# Allegro board BRD-05058-01_B04.brd (continued)
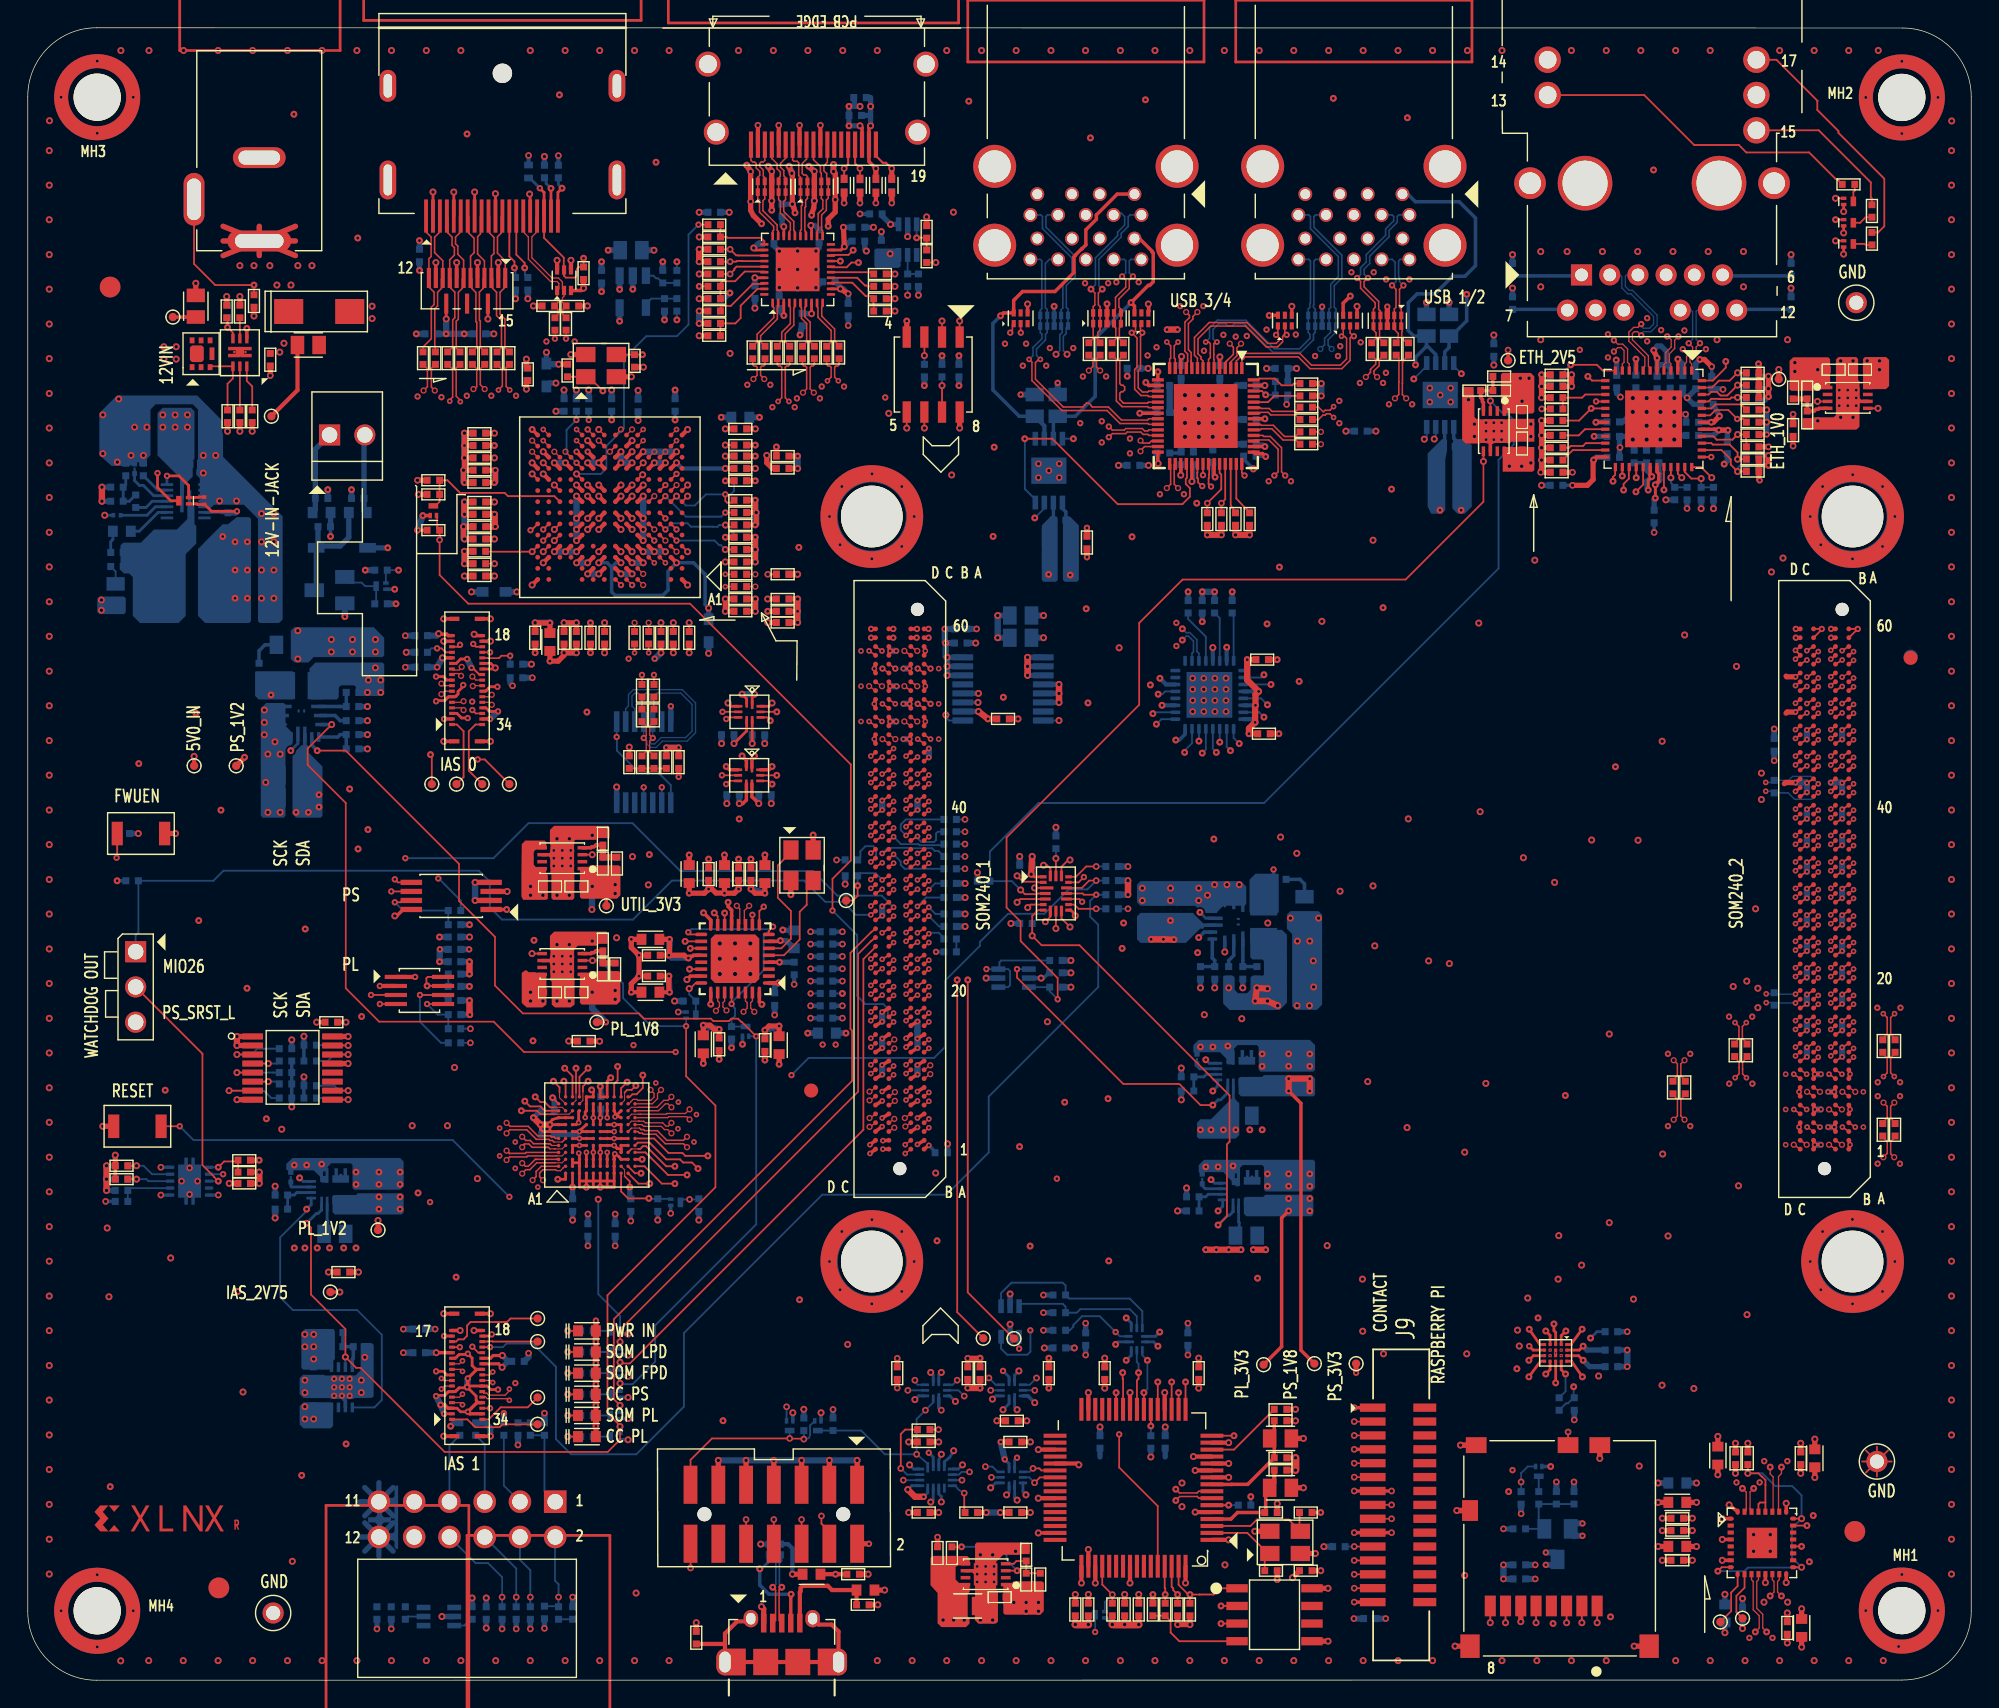
[diagram p0: board, top side]
## Routing (per net, layer and track width the routed paths; a pad name or vN(x,y) marks a point on that pad's centre or on a via; arc(x,y) is an arc through that point) (continued)
N2162492: length 6.5
  TOP w0.132: J8.1 31.67,18.79 32.23,18.22 33.99,18.22 34.19,18.43 TP31.1
N2162496: length 4.6
  TOP w0.132: TP32.1 36.02,19.65 34.07,19.65 33.2,18.79 J8.34
N2164764: length 7.3
  TOP w0.132: TP33.1 34.78,26.05 34.52,25.8 31.9,25.8 31.65,25.54 31.65,24.8 31.4,24.55 31.02,24.55 30.85,24.39 J8.15
N2164776: length 4
  TOP w0.132: TP34.1 33.5,24.39 33.48,24.41 33.13,24.41 33.11,24.39 J8.20
N2168209: length 5.1
  TOP w0.132: J7.1 30.91,68.82 31.4,68.34 31.4,65.04 TP27.1
N2168213: length 5.4
  TOP w0.132: TP28.1 31.77,65.49 31.77,68.34 32.26,68.82 J7.34
N2168217: length 12.4
  TOP w0.132: J7.20 32.29,74.42 v2(32.09,74.63) ; v2(32.41,66.31) 32.92,66.31 TP30.1
  L12_SIG w0.102: v2(32.41,66.31) 32.41,68.02 32.67,68.28 32.67,70.03 32.54,70.16 32.54,74.18 v2(32.09,74.63)
N2168229: length 11.6
  TOP w0.132: TP29.1 29.11,66.56 v6(29.01,66.66) ; J7.15 31,74.42 v2(31.14,74.56)
  L12_SIG w0.102: v2(31.14,74.56) 30.58,74 30.58,70.65 29.01,69.09 v6(29.01,66.66)
N2198627: length 1.2
  BOTTOM w0.132: Q17.3 R254.1
N2198631: length 1.7
  TOP w0.132: DS6.1 v4(38.9,23.64)
  BOTTOM w0.132: R254.2 v4(38.9,23.64)
N2390901: length 3.8
  BOTTOM w0.132: R260.2 25.1,77.62 Q20.3 24.3,78.79 24.05,79.04 23.25,79.04 Q18.1
N2498323: length 4
  TOP w0.127: TP35.1 122.71,4.97 122.71,6.31 123.17,6.78 U40.9
N2498387: length 3.6
  TOP w0.127: U40.10 123.67,6.66 123.08,6.07 123.08,4.9 TP36.1
N2549814: length 0.9
  BOTTOM w0.132: R264.2 C344.1
N2906910: length 1.1
  BOTTOM w0.132: R272.2 Q15.3
N2971691: length 0.9
  BOTTOM w0.132: R274.1 C370.1
N2974273: length 1
  BOTTOM w0.132: R275.1 C371.1

## Copper pours and planes (outline as drawn; the poured copper is in the pictures)
5V0_IN on TOP (solid shape): 36.07,50.99 36.56,50.99 36.58,50.98 36.64,50.96 36.7,50.95 37.23,50.95 37.36,50.81 37.36,48.66 37.09,48.45 35.94,48.45 35.71,48.66 35.58,48.78 35.58,50.94 35.82,51.12 35.94,51.12
5V0_IN on TOP (solid shape): 37.36,60.34 37.36,60.09 37.34,59.88 37.29,59.83 36.7,59.83 36.55,59.78 36.46,59.64 36.45,59.63 36.45,59.57 36.45,59.07 36.45,58.74 36.51,58.66 36.6,58.56 37.23,58.56 37.34,58.48 37.34,58.1 37.47,57.97 37.47,56.28 37.34,56.2 35.69,56.2 35.56,56.42 35.56,58.17 35.58,60.21 35.84,60.47 37.23,60.47
5V0_IN on BOTTOM (solid shape): 74.19,83.68 74.19,79.23 74.06,79.1 73.18,79.1 73.05,79.23 73.05,83.17 73.68,83.8 74.06,83.8
5V0_IN on BOTTOM (solid shape): 16.08,83.63 16.08,76.27 15.95,76.14 12.77,76.14 12.27,76.65 12.27,81.47 14.04,83.25 14.43,83.25 15.06,83.76 15.95,83.76
5V0_IN on BOTTOM (solid shape): 102.24,89.33 102.24,88.57 102.12,87.94 102.12,87.94 102.12,84.25 101.86,84 101.1,84 100.85,84.51 100.85,88.34 101.88,89.38
5V0_IN on BOTTOM (solid shape): 21.77,20 21.83,19.99 21.99,19.83 21.99,19.19 22,18.31 21.82,18.13 19.86,18.13 19.58,18.41 19.58,19.74 19.86,20.01 21.73,20.01
5V0_IN on BOTTOM (solid shape): 84.68,54.5 84.73,54.5 84.73,54.25 84.73,54.18 84.67,54.12 84.45,54.12 83.43,53.1 80.16,53.1 79.91,53.35 79.91,55.01 80.16,55.26 83.92,55.26
5V0_IN on BOTTOM (solid shape): 86.79,41.95 86.88,41.98 86.95,41.93 87.02,41.8 87.27,41.54 87.27,39.26 87.02,39 84.35,39 84.22,39.13 84.22,40.15 84.48,40.4 85.24,40.4
5V0_IN on BOTTOM (solid shape): 19.79,67.32 19.83,67.32 20.08,67.32 20.12,67.32 20.15,67.33 20.19,67.32 20.21,67.29 20.22,67.26 20.22,66.82 21.23,65.8 21.23,62.24 21.11,62.12 19.33,62.12 19.07,62.37 19.07,66.59 19.1,66.6 19.26,66.73 19.32,66.92 19.32,66.94 19.73,67.34
5V0_IN on TOP: 16.18,82.6 16.18,77.64 15.67,77.14 14.27,77.14 13.13,78.28 13.13,82.72 13.51,83.1 15.67,83.1
5V0_IN on BOTTOM: 21.99,33.03 21.99,30.75 21.74,30.49 19.07,30.49 18.95,30.62 18.95,31.64 19.2,31.89 19.96,31.89 21.61,33.54 21.74,33.29
5V0_IN on BOTTOM: 87.65,32.91 87.65,30.62 87.4,30.37 84.73,30.37 84.61,30.49 84.61,31.51 84.86,31.76 85.62,31.76 87.27,33.42 87.4,33.16
5V0_IN on L08_PWR: 8.26,117.15 132.09,117.15 138.44,110.8 138.44,21.9 137.17,20.63 127.01,20.63 118.75,28.88 82.56,28.88 80.65,30.79 80.65,58.73 80.02,59.36 75.57,59.36 74.94,58.73 74.94,49.2 74.3,48.57 60.97,48.57 60.33,49.2 60.33,54.92 59.7,55.55 40.01,55.55 39.38,54.92 39.38,48.57 38.74,47.93 36.2,47.93 35.57,48.57 35.57,49.84 34.93,50.47 18.42,50.47 17.79,49.84 17.79,39.68 18.42,39.04 21.6,39.04 23.5,37.14 23.5,33.96 25.41,32.06 25.41,19.36 24.14,18.09 2.55,18.09 1.91,18.72 1.91,110.8 ; 3 cut-outs
5V0_IN_SW on BOTTOM (solid shape): 12.01,84.52 12.01,83.25 12.14,83.12 12.14,81.85 11.38,81.09 11.38,76.65 10.87,76.14 8.08,76.14 7.57,76.65 7.57,79.44 7.31,79.69 6.93,79.69 6.68,79.95 6.68,81.73 6.87,81.92 8.14,81.92 9.09,82.87 10.74,82.87 11.5,83.63 11.5,84.77 11.63,84.9
12V_IN on BOTTOM (solid shape): 12.01,91.38 12.01,87.95 11.89,87.82 11.89,86.68 11.25,86.04 11.25,85.03 11,85.03 11,86.55 9.35,88.2 9.35,91.25 9.73,91.63 11.76,91.63
12V_IN on TOP: 12.85,98.67 10.04,98.67 8.92,97.55 8.92,94.63 9.35,94.19 12.63,94.19 12.68,94.25 12.68,97.23 13.08,97.64 13.08,98.44
12V_IN on L07_PWR: 1.91,96.02 3.22,97.33 24.18,97.33 25.41,96.1 25.41,84.76 26.68,83.49 26.68,81.46 25.53,80.32 3.94,80.32 1.91,82.35
12V_IN_JACK on TOP: 19.84,95.26 19.98,95.4 19.98,105.17 19.47,105.68 14.14,105.68 13.76,105.3 13.76,101.49 14.14,101.11 16.93,101.11 17.31,100.73 17.31,97.55 17.69,97.17 17.69,96.28 17.44,96.03 15.41,96.03 15.41,95.39 15.53,95.26
12V_IN_JACK on BOTTOM: 19.53,95.33 19.98,95.77 19.98,105.17 19.47,105.68 14.14,105.68 13.76,105.3 13.76,101.49 14.14,101.11 16.93,101.11 17.31,100.73 17.31,97.55 17.69,97.17 17.69,96.28 17.44,96.03 15.41,96.03 15.41,95.39 14.9,94.88 14.9,89.6 15,89.5 15.71,89.5 15.79,89.57 15.79,93.99 17.12,95.33
12V_IN_SOURCE on TOP: 14.52,95.26 14.26,95.01 12.99,95.01 12.99,96.79 13.5,96.79 14.26,96.03 15.14,96.03 15.14,95.39 15.01,95.26
AVDD12 on L05_SIG: 47.9,92.72 51.84,92.72 54.38,90.18 54.38,78.12 54.35,78.12 54.35,76.07 53.84,75.55 51.15,75.55 49,77.71 48.81,77.9 42.21,77.9 40.18,75.99 39.77,75.66 35.89,75.66 34.06,77.48 34.06,78.75 32.73,80.09 32.3,80.56 32.3,83.99 33.57,85.26 38.15,85.26 38.56,85.74 38.56,86.25 38.4,86.4 38.27,86.53 37.77,86.53 37.64,86.41 37.03,86.4 36.88,86.55 36.88,87.24 36.45,87.67 33.42,87.67 32.79,88.3 32.79,88.91 32.85,88.98 32.85,93.3 33.55,93.99 46.76,93.99 46.76,93.87
AVDD33 on L12_SIG: 42.04,89.84 43.95,89.84 44.08,89.72 44.08,86.39 44.6,85.87 44.6,82.31 50.43,82.35 51.32,81.46 51.32,76.89 50.3,75.87 48.63,75.87 47.9,76.6 43.46,76.6 42.95,76.09 42.95,75.58 42.19,74.82 42.19,73.55 42.06,73.42 38.5,73.42 37.93,73.99 37.93,78.06 36.96,79.05 33.54,79.05 32.77,79.82 32.77,89.05 33.93,90.17 35.47,90.17 36.71,88.95 41.92,88.95 42.04,89.08
GND on TOP (solid shape): 72.18,9.79 72.18,9.09 71.67,9.09 71.58,9.07 71.51,9.03 70.27,9.03 69.96,8.72 69.92,8.69 69.89,8.65 69.76,8.52 69.76,6.49 69.89,6.36 69.89,4.22 69.75,4.08 68.48,4.08 68.22,4.33 68.22,4.82 68.24,4.84 68.24,9.79 68.37,9.92 72.05,9.92
GND on TOP (solid shape): 104.16,92.62 104.17,92.53 104.21,92.46 104.21,90.97 104.34,90.84 104.59,90.84 104.61,90.83 104.67,90.8 104.74,90.8 106.49,90.8 106.55,90.8 106.62,90.83 106.63,90.84 108.53,90.84 108.53,89.19 106.88,89.19 106.75,89.06 106.63,89.06 106.62,89.07 106.55,89.09 106.49,89.1 105.74,89.1 105.67,89.09 105.61,89.07 105.59,89.06 105.13,89.06 105.12,89.07 105.05,89.09 104.99,89.1 104.74,89.1 104.67,89.09 104.61,89.07 104.59,89.06 103.58,89.06 103.33,89.31 103.33,93.12 104.16,93.12
GND on TOP (solid shape): 131.73,95.29 131.85,95.14 131.85,93.63 131.96,93.53 131.96,93.26 131.95,93.22 131.95,92.97 131.95,92.72 131.95,92.47 131.96,92.43 131.96,91.76 131.95,91.72 131.95,91.47 131.96,91.43 131.96,90.27 131.74,90.05 127.92,90.05 127.87,90.11 127.87,90.84 127.88,90.88 127.92,90.89 127.93,90.89 128.44,90.89 128.52,90.91 128.59,90.94 130.09,90.94 130.25,91.11 130.25,91.41 130.26,91.47 130.26,91.72 130.25,91.78 130.25,91.91 130.26,91.97 130.26,92.72 130.25,92.78 130.25,92.91 130.26,92.97 130.26,93.22 130.25,93.28 130.25,95.11 130.43,95.29
GND on TOP (solid shape): 41.91,61.4 41.91,60.64 41.85,60.58 41.82,60.61 41.75,60.64 41.68,60.65 41.17,60.65 41.04,60.61 40.95,60.51 39.44,60.51 39.37,60.44 39.37,60.17 39.36,60.12 39.35,60.07 39.35,59.82 39.36,59.77 39.37,59.72 39.37,59.67 39.36,59.62 39.35,59.57 39.35,58.82 39.36,58.77 39.37,58.72 39.37,58.67 39.36,58.62 39.35,58.57 39.35,58.32 39.36,58.27 39.37,58.22 39.37,56.32 39.25,56.2 37.85,56.2 37.72,56.32 37.72,58.1 37.63,58.2 37.64,58.23 37.65,58.27 37.66,58.32 37.66,58.57 37.65,58.64 37.63,58.7 37.65,58.76 37.66,58.82 37.66,59.07 37.65,59.15 37.61,59.22 37.6,59.23 37.6,59.66 37.61,59.68 37.65,59.75 37.66,59.82 37.66,60.07 37.65,60.14 37.62,60.21 37.61,60.22 37.62,61.23 37.92,61.53 41.79,61.53
GND on TOP (solid shape): 41.79,53.78 41.79,53.13 41.76,53.06 41.17,53.03 41.04,52.99 40.95,52.89 39.63,52.89 39.39,52.66 39.39,52.59 39.39,52.58 39.36,52.52 39.35,52.45 39.35,52.2 39.36,52.14 39.38,52.08 39.36,52.02 39.35,51.95 39.35,51.2 39.36,51.14 39.38,51.08 39.36,51.02 39.35,50.95 39.35,50.7 39.36,50.63 39.39,50.57 39.39,50.56 39.39,48.66 39.12,48.45 37.98,48.45 37.74,48.66 37.74,50.31 37.62,50.43 37.62,50.56 37.62,50.57 37.65,50.63 37.66,50.7 37.66,50.95 37.65,51.02 37.63,51.08 37.65,51.14 37.66,51.2 37.66,51.45 37.65,51.52 37.62,51.58 37.62,51.59 37.62,52.06 37.62,52.07 37.65,52.13 37.66,52.2 37.66,52.45 37.65,52.52 37.62,52.58 37.62,52.59 37.62,53.61 37.92,53.91 41.68,53.91
GND on TOP (solid shape): outline of 229 points within 1.9,110.9 8.1,117.1
GND on TOP (solid shape): outline of 229 points within 1.9,1.9 8.1,8.1
GND on TOP (solid shape): outline of 229 points within 131.9,110.88 138.1,117.08
GND on TOP (solid shape): outline of 229 points within 131.9,1.91 138.1,8.12
GND on TOP (solid shape): outline of 248 points within 57.1,80.1 64.5,87.5
GND on TOP (solid shape): outline of 248 points within 57.1,26.45 64.5,33.85
GND on TOP (solid shape): outline of 248 points within 127.75,80.1 135.15,87.5
GND on TOP (solid shape): outline of 248 points within 127.75,26.45 135.15,33.85
GND on BOTTOM (solid shape): 7.06,77.92 7.06,76.9 6.93,76.77 5.15,76.77 5,76.93 5,77.89 5.15,78.04 6.93,78.04
GND on BOTTOM (solid shape): 104.02,88.95 104.02,84.51 103.51,84 103,84 102.62,84.38 102.62,89.11 102.89,89.38 103.47,89.38
GND on BOTTOM (solid shape): 75.72,83.17 75.72,79.23 75.59,79.1 74.7,79.1 74.57,79.23 74.57,83.68 74.7,83.8 75.08,83.8
GND on BOTTOM (solid shape): 25.68,75.07 25.68,73.8 25.55,73.67 20.6,73.67 20.22,73.29 19.2,73.29 18.95,73.55 18.95,75.58 19.2,75.83 24.92,75.83
GND on BOTTOM (solid shape): 93.24,55.13 93.24,48.66 92.86,48.27 91.34,48.27 91.08,48.53 91.08,53.74 90.7,54.12 90.7,55.13 90.96,55.39 92.99,55.39
GND on BOTTOM (solid shape): 92.73,45.73 92.73,43.96 92.61,43.83 88.8,43.83 88.67,43.96 88.67,44.08 88.67,44.08 88.67,45.13 88.67,45.13 88.67,45.61 88.54,45.73 87.15,45.73 86.89,45.48 86.89,44.34 86.51,44.34 86.38,44.46 86.38,44.72 85.88,45.23 84.43,45.23 84.43,45.19 83.97,45.19 83.97,45.73 84.35,46.12 92.35,46.12
GND on BOTTOM (solid shape): 18.57,70.25 18.57,68.72 19.07,68.21 19.07,67.45 18.94,67.32 18.92,67.32 18.67,67.2 18.57,66.95 18.57,66.92 18.57,62.24 18.44,62.12 16.91,62.12 16.79,62.24 16.79,69.99 17.17,70.37 18.44,70.37
GND on BOTTOM (solid shape): 87.78,57.16 87.78,55.89 87.65,55.77 86.13,55.77 85.62,55.26 84.82,55.26 84.82,55.31 84.7,55.57 84.44,55.67 84.36,55.67 84.28,55.64 84.24,55.62 84.1,55.77 80.16,55.77 79.91,56.02 79.91,57.29 80.16,57.55 87.4,57.55
GND on BOTTOM (solid shape): 27.07,37.35 27.07,35.57 26.82,35.32 23.52,35.32 23.39,35.45 23.39,35.57 23.4,35.57 23.4,36.62 23.39,36.62 23.39,37.1 23.26,37.23 21.87,37.23 21.61,36.97 21.61,35.83 21.23,35.83 21.11,35.96 21.11,36.21 21.01,36.31 21.47,36.31 21.47,36.64 21.26,36.64 21.26,36.31 21.01,36.31 20.6,36.72 19.07,36.72 19.07,36.68 18.82,36.68 18.82,36.72 18.69,36.72 18.62,36.78 18.62,37.18 19.07,37.61 26.82,37.61
GND on BOTTOM (solid shape): 92.73,37.35 92.73,35.45 92.48,35.19 89.18,35.19 89.05,35.32 89.05,35.44 89.06,35.44 89.06,36.5 89.05,36.5 89.05,36.97 88.92,37.1 87.53,37.1 87.33,36.89 87.33,35.62 87.27,35.57 87,35.57 87,35.65 86.74,35.65 86.74,35.94 86.53,36.16 87.12,36.16 87.12,36.49 86.92,36.49 86.92,36.16 86.53,36.16 86.12,36.59 84.73,36.59 84.73,36.56 84.39,36.56 84.35,36.59 84.35,37.1 84.73,37.48 92.61,37.48
GND on BOTTOM (solid shape): 24.92,24.14 24.92,20.46 24.79,20.33 23.52,20.32 23.45,20.25 23.25,20.25 23.19,20.24 23.07,20.24 23,20.25 22.75,20.25 22.69,20.24 22.57,20.24 22.5,20.25 21.84,20.25 21.77,20.32 19.86,20.32 19.58,20.6 19.58,21.77 19.84,22 21.35,22 21.4,21.94 21.72,21.94 21.75,21.94 23.5,21.94 23.6,21.94 23.68,22.02 23.73,22.08 23.98,22.33 23.98,24.23 24.03,24.28 24.78,24.28
GND on BOTTOM (solid shape): 14.07,90.65 14.07,90.14 14.01,89.94 14.07,89.74 14.07,88.11 18.36,83.81 18.36,76.39 18.11,76.14 16.71,76.14 16.58,76.27 16.58,83.63 15.57,84.65 13.41,84.65 13.22,84.45 13.18,84.46 12.39,84.46 12.39,86.55 12.14,86.81 12.14,87.16 12.18,87.23 12.19,87.31 12.19,87.82 12.19,87.87 12.27,87.95 12.27,91.51 11.89,91.89 9.22,91.89 8.84,91.51 8.84,88.2 8.58,87.95 8.58,87.44 8.13,87.44 8.13,87.45 8.02,87.45 8.02,87.71 7.36,87.71 7.36,87.45 7.26,87.45 7.26,87.44 6.04,87.44 5.15,88.23 5.15,91.25 6.42,92.52 12.19,92.52
GND on BOTTOM (solid shape): outline of 229 points within 1.9,110.9 8.1,117.1
GND on BOTTOM (solid shape): outline of 229 points within 1.9,1.9 8.1,8.1
GND on BOTTOM (solid shape): outline of 229 points within 131.9,110.88 138.1,117.08
GND on BOTTOM (solid shape): outline of 229 points within 131.9,1.91 138.1,8.11
GND on BOTTOM (solid shape): outline of 248 points within 57.1,80.1 64.5,87.5
GND on BOTTOM (solid shape): outline of 248 points within 57.1,26.45 64.5,33.85
GND on BOTTOM (solid shape): outline of 248 points within 127.75,80.1 135.15,87.5
GND on BOTTOM (solid shape): outline of 248 points within 127.75,26.45 135.15,33.85
GND on TOP: 18.21,88.06 25.83,88.06 27.48,86.41 27.48,79.93 28.49,78.91 28.49,77.64 19.48,68.6 19.48,68.02 19.48,67.48 19.48,66.59 18.84,65.96 14.52,65.96 11.86,68.63 11.51,68.63 11.14,68.99 11.14,75.49 12.54,76.88 13.38,76.88 13.89,76.37 15.79,76.37 16.68,77.26 16.68,86.53
GND on TOP: 13.72,33.58 18.04,33.58 19.18,32.44 19.18,22.41 19.69,21.9 20.07,21.9 20.33,21.64 20.33,20.63 20.07,20.37 15.63,20.37 15.55,20.3 12.74,20.3 12.2,20.62 12.2,24.89 11.45,26.29 9.15,26.32 5.71,27.21 5.47,27.57 5.47,34.6 5.6,34.72 8.64,34.72 8.9,34.47 10.29,34.47 10.93,35.11 10.93,36.38 11.56,37.01 11.82,37.01 12.58,36.25 12.58,34.72
GND on TOP: 18.68,40.57 26.17,40.57 29.98,44.38 32.01,44.38 34.04,42.34 34.04,37.26 32.52,35.74 21.22,35.74 20.07,36.88 18.42,36.88 17.79,37.52 17.79,39.68
GND on TOP: 53.73,60.63 53.73,59.49 53.47,59.24 52.59,59.24 52.33,58.98 50.93,58.98 50.68,59.24 49.66,59.24 49.41,58.98 48.52,58.98 48.27,59.24 46.87,59.24 46.49,59.62 46.49,60.76 46.74,61.01 53.35,61.01
GND on TOP: 25.43,99.46 25.43,97.68 25.35,97.6 24.18,97.6 22.02,95.44 20.53,95.44 20.47,95.49 20.47,97.09 21.77,97.73 21.77,99.33 22.02,99.61 25.28,99.61
GND on TOP: 107.83,4.75 107.83,6.66 107.32,7.17 107.32,8.56 107.07,8.82 105.93,8.82 105.67,8.56 105.67,7.04 105.93,6.78 106.69,6.78 107.2,6.28 107.2,4.75
GND on TOP: 48.39,44.63 49.16,44.63 49.41,44.88 51.06,44.88 51.32,45.14 51.32,45.77 51.44,45.9 52.08,45.9 52.46,45.52 52.46,45.01 52.59,44.88 53.22,44.88 53.6,44.5 54.49,44.5 54.62,44.38 54.62,43.36 54.49,43.23 49.28,43.23 48.27,44.25 48.27,44.5
GND on TOP: 82.56,73.71 86.37,73.71 87.76,72.32 87.76,69.27 86.75,68.25 83.19,68.25 82.3,69.14 82.3,73.46
GND on TOP: outline of 96 points within 79.89,1.19 134.67,86.15
GND on BOTTOM: 40.32,86.3 43.48,86.3 43.77,86 43.77,82.83 43,82.05 43,81.29 42.72,81.01 41.04,81.01 40.09,81.96 40.09,86.07
GND on BOTTOM: 40.52,40.57 40.65,40.69 41.79,40.69 41.92,40.57 41.92,40.44 42.17,40.19 42.43,40.19 42.55,40.06 42.55,38.41 42.43,38.28 42.04,38.28 41.92,38.15 41.92,37.9 41.79,37.77 40.14,37.77 40.01,37.9 40.01,38.15 39.89,38.28 39.63,38.28 39.38,38.53 38.49,38.53 38.36,38.66 38.36,39.55 38.49,39.68 39.38,39.68 39.5,39.8 40.01,39.8 40.52,40.31
GND on BOTTOM: 37.91,59.98 39.1,59.98 39.34,59.74 39.34,58.63 39.11,58.41 37.89,58.41 37.67,58.63 37.67,59.75
GND on BOTTOM: 68.41,8.42 69.6,8.42 69.84,8.18 69.84,7.07 69.61,6.85 68.39,6.85 68.18,7.07 68.18,8.19
GND on BOTTOM: 88.16,30.37 89.3,30.37 89.43,30.49 89.43,32.65 89.3,32.78 88.16,32.78 88.03,32.65 88.03,30.49
GND on BOTTOM: 22.63,30.49 23.74,30.49 23.9,30.66 23.9,32.78 23.77,32.91 22.49,32.91 22.4,32.82 22.4,30.72
GND on BOTTOM: 87.91,39 89.05,39 89.18,39.13 89.18,41.29 89.05,41.42 87.76,41.42 87.68,41.34 87.68,39.23
GND on BOTTOM: 37.9,52.35 39.09,52.35 39.33,52.11 39.33,51 39.11,50.78 37.89,50.78 37.67,51 37.67,52.12
GND on BOTTOM: 126.6,81.22 108.33,81.22 89.82,62.7 89.82,60.46 91.16,59.12 94.62,59.12 95.94,57.8 95.94,38.85 95.86,38.77 95.86,24.68 97.72,22.82 103.58,22.82 107.83,27.06 115.75,27.06 116.84,25.97 116.84,21.45 121.67,16.62 128.81,16.62 130.28,18.1 130.28,24.85 126.93,28.21 126.93,41.16 126.14,41.95 122.66,41.95 121.16,43.45 121.16,48.35 122.18,49.36 125.02,49.36 126.11,50.46 126.11,61.71 123.52,64.3 123.52,73.04 127.99,77.51 127.99,79.82
GND on L02_GND: 0.68,0.68 0.68,118.3 139.32,118.3 139.32,0.69 ; 288 cut-outs
GND on L03_SIG: 108.33,25.21 108.33,25.84 108.08,26.1 107.57,26.1 107.06,25.59 107.06,23.3 107.83,22.54 111.89,22.54 113.03,21.4 113.41,21.4 113.67,21.65 113.67,23.68 112.91,24.45 109.1,24.45
GND on L03_SIG: 11.73,118.28 128.19,118.28 139.24,107.23 139.24,18.33 135.94,15.03 135.94,24.43 83.74,24.43 71.67,12.37 71.67,3.6 74.47,0.81 11.6,0.81 0.69,11.72 0.8,107.35
GND on L04_GND: 0.68,0.68 0.68,118.3 139.32,118.3 139.32,0.7 ; 61 cut-outs
GND on L05_SIG: 46.27,117.65 11.1,117.65 1.32,107.87 1.32,92.63 5,88.95 29.51,88.95 30.91,90.34 30.91,94.28 33.7,97.07 44.5,97.07 46.66,99.23 46.66,108.25 47.04,108.63 47.04,116.89
GND on L05_SIG: 9.83,89.2 10.21,89.2 11.35,88.06 11.35,81.58 15.67,77.26 23.29,77.26 25.45,79.42 25.45,81.45 25.32,81.58 30.91,87.17 30.91,90.47 11.1,90.47
GND on L05_SIG: 84.12,63.04 112.82,63.04 116.25,59.61 116.25,32.56 113.97,30.27 89.2,30.27 81.58,37.89 81.58,60.5
GND on L05_SIG: 103.04,86.41 88.44,86.41 86.28,84.25 74.85,84.25 72.94,82.34 72.31,82.34 71.42,83.23 71.42,85.64 73.33,87.55 73.33,89.45 74.85,90.98 75.87,90.98 76.88,91.99 76.88,94.15 75.99,95.04 73.83,95.04 73.07,94.28 71.04,94.28 66.34,98.98 60.63,98.98 59.36,100.25 48.81,100.25 47.8,99.23 47.8,94.66 48.81,93.65 52.88,93.65 55.67,90.85 55.67,73.58 56.94,72.31 65.96,72.31 67.86,70.4 75.61,70.4 80.69,75.48 95.93,75.48 103.93,83.49 103.93,85.52
GND on L05_SIG: 68.5,117.52 129.21,117.52 138.73,108 138.73,74.47 135.17,70.91 129.84,70.91 122.6,78.15 122.6,85.52 128.19,91.11 128.19,97.58 126.54,99.23 109.14,99.23 97.71,110.66 90.6,110.66 85.39,105.46 68.88,105.46 66.09,108.25 66.09,115.11
GND on L05_SIG: 1.32,93.26 1.32,78.41 6.27,73.45 10.59,73.45 12.24,75.1 12.24,76.88 7.67,81.45 7.67,88.06 8.81,89.2 8.81,91.49 7.03,93.26
GND on L05_SIG: 75.23,33.96 83.74,25.45 83.74,23.03 78.53,17.83 75.1,17.83 72.82,20.11 72.82,33.19 73.58,33.96
GND on L06_GND: 0.68,0.7 0.68,118.32 139.32,118.32 139.32,0.71
GND on L07_PWR: 3.22,98.34 23.8,98.34 25.7,100.25 25.7,103.55 37.38,115.24 37.38,117.01 36.11,118.28 3.09,118.28 0.68,115.87 0.68,100.88
GND on L07_PWR: 49.68,7.94 63.02,7.94 65.15,5.8 65.15,1.66 64.21,0.72 60.94,0.72 59.24,2.42 49.48,2.42 47.75,0.7 1.65,0.7 0.69,1.66 0.69,27.24 1.7,28.26 5.46,28.26 13.72,20 43.56,20 44.2,19.37 44.2,13.42
GND on L08_PWR: 25.32,2.71 25.32,16.18 24.05,17.45 2.33,17.45 0.68,15.79 0.68,3.22 3.22,0.68 23.29,0.68
GND on L09_GND: 0.69,0.69 0.69,118.3 139.31,118.3 139.31,0.7
GND on L10_SIG: 50.72,104.31 60.63,104.31 61.9,103.04 61.9,96.82 54.78,89.71 54.78,86.79 54.91,86.66 54.91,85.39 52.5,82.98 51.61,82.98 49.96,84.63 49.96,103.55
GND on L10_SIG: 73.58,103.55 73.58,103.3 84.37,92.5 84.37,88.18 76.75,80.56 70.15,80.56 62.28,88.44 62.28,91.99 67.74,97.46 67.74,102.03 69.26,103.55
GND on L10_SIG: 71.04,69.13 71.04,74.72 73.33,77.01 79.29,77.01 80.44,75.87 80.44,71.93 76.25,67.74 72.44,67.74
GND on L11_GND: 0.69,0.69 0.69,118.31 139.31,118.31 139.31,0.7 ; 16 cut-outs
GND on L12_SIG: 11.73,118.28 128.19,118.28 139.24,107.23 139.24,18.33 135.94,15.03 135.94,24.43 122.3,24.43 122.3,0.81 11.6,0.81 0.69,11.72 0.8,107.35 ; 10 cut-outs
GND on L13_GND: 0.69,0.69 0.69,118.31 139.32,118.31 139.32,0.7 ; 16 cut-outs
(no net) on TOP: 130.25,91.11 130.09,90.94 127.92,90.94 127.87,90.89 127.87,90.11 127.92,90.05 131.74,90.05 131.96,90.27 131.96,93.53 131.85,93.63 131.85,95.14 131.73,95.29 130.43,95.29 130.25,95.11
(no net) on TOP: 73.06,7.13 73.19,7 73.19,4.97 72.94,4.71 70.4,4.71 70.27,4.84 70.27,7 70.4,7.13
(no net) on TOP: 42.57,51.07 42.7,50.94 42.7,48.91 42.44,48.66 39.9,48.66 39.77,48.78 39.77,50.94 39.9,51.07
(no net) on TOP: 37.47,56.28 37.47,57.97 37.34,58.1 37.34,58.48 37.23,58.56 36.6,58.56 36.45,58.74 36.45,59.63 36.58,59.75 37.21,59.75 37.34,59.88 37.36,60.09 37.36,60.34 37.23,60.47 35.84,60.47 35.58,60.21 35.56,58.17 35.56,56.42 35.69,56.2 37.34,56.2
(no net) on TOP: 108.53,88.81 106.37,88.81 106.25,88.68 106.25,87.03 108.41,87.03 108.53,87.16
(no net) on TOP: 39.37,60.44 39.44,60.51 41.79,60.51 41.91,60.64 41.91,61.4 41.79,61.53 37.92,61.53 37.62,61.23 37.59,58.23 37.72,58.1 37.72,56.32 37.85,56.2 39.25,56.2 39.37,56.32
(no net) on TOP: 127.04,92.85 126.92,92.98 126.92,95.01 127.17,95.26 129.71,95.26 129.84,95.14 129.84,92.98 129.71,92.85
(no net) on TOP: 104.34,90.84 104.21,90.97 104.21,93.12 103.33,93.12 103.33,89.31 103.58,89.06 106.75,89.06 106.88,89.19 108.53,89.19 108.53,90.84
(no net) on TOP: 132.34,95.29 132.21,95.16 132.21,93.2 132.25,93.11 132.38,92.98 133.86,92.98 134.09,93.2 134.09,95.08 133.88,95.29
(no net) on TOP: 69.89,6.36 69.76,6.49 69.76,8.52 70.27,9.03 72.18,9.03 72.18,9.79 72.05,9.92 68.37,9.92 68.24,9.79 68.24,4.84 68.22,4.82 68.22,4.33 68.48,4.08 69.75,4.08 69.89,4.22
(no net) on TOP: 39.39,52.66 39.63,52.89 41.51,52.89 41.79,53.02 41.79,53.78 41.68,53.91 37.92,53.91 37.62,53.61 37.62,50.43 37.74,50.31 37.74,48.66 37.98,48.45 39.12,48.45 39.39,48.66
(no net) on TOP: 67.86,6.36 67.86,6.87 67.73,7 67.1,7 66.84,7.25 66.84,8.14 66.97,8.27 67.86,8.27 67.86,8.78 67.69,8.94 65.16,8.94 65.03,8.82 65.03,6.84 65.54,6.28 65.54,4.09 65.81,3.82 67.59,3.82 67.84,4.08 67.84,4.46 67.71,4.59 67.71,6.24 67.73,6.24
(no net) on TOP: 42.57,58.69 42.7,58.56 42.7,56.53 42.44,56.28 39.9,56.28 39.77,56.4 39.77,58.56 39.9,58.69
(no net) on TOP: 106.12,94.01 106.25,94.14 108.28,94.14 108.53,93.89 108.53,91.35 108.41,91.22 106.25,91.22 106.12,91.35
(no net) on TOP: 37.36,48.66 37.36,50.81 37.23,50.94 37.09,50.99 36.07,50.99 35.94,51.12 35.82,51.12 35.58,50.94 35.58,48.78 35.71,48.66 35.94,48.45 37.09,48.45
(no net) on BOTTOM: 11,85.03 11,86.55 9.35,88.2 9.35,91.25 9.73,91.63 11.76,91.63 12.01,91.38 12.01,87.95 11.89,87.82 11.89,86.68 11.25,86.04 11.25,85.03
(no net) on BOTTOM: 7.06,77.92 7.06,76.9 6.93,76.77 5.15,76.77 5,76.93 5,77.89 5.15,78.04 6.93,78.04
(no net) on BOTTOM: 20.6,73.67 25.55,73.67 25.68,73.8 25.68,75.07 24.92,75.83 19.2,75.83 18.95,75.58 18.95,73.55 19.2,73.29 20.22,73.29
(no net) on BOTTOM: 21.61,35.83 21.23,35.83 21.11,35.96 21.11,36.21 20.6,36.72 19.07,36.72 19.07,36.46 18.82,36.46 18.82,36.72 18.69,36.72 18.62,36.78 18.62,37.18 19.07,37.61 26.82,37.61 27.07,37.35 27.07,35.57 26.82,35.32 23.52,35.32 23.39,35.45 23.39,37.1 23.26,37.23 21.87,37.23 21.61,36.97 ; 1 cut-out
(no net) on BOTTOM: 19.07,66.69 19.84,67.45 19.84,68.09 20.09,68.09 20.22,67.96 20.22,66.82 21.23,65.8 21.23,62.24 21.11,62.12 19.33,62.12 19.07,62.37
(no net) on BOTTOM: 83.92,55.26 84.68,54.5 85.49,54.5 85.49,54.25 84.8,54.25 84.67,54.12 84.45,54.12 83.43,53.1 80.16,53.1 79.91,53.35 79.91,55.01 80.16,55.26
(no net) on BOTTOM: 87.33,43.45 88.92,43.45 89.05,43.58 92.48,43.58 92.74,43.32 92.74,42.18 92.61,42.05 87.4,42.05 87.23,42.23 87.23,43.34